# KiCad board brew-keeb.kicad_pcb
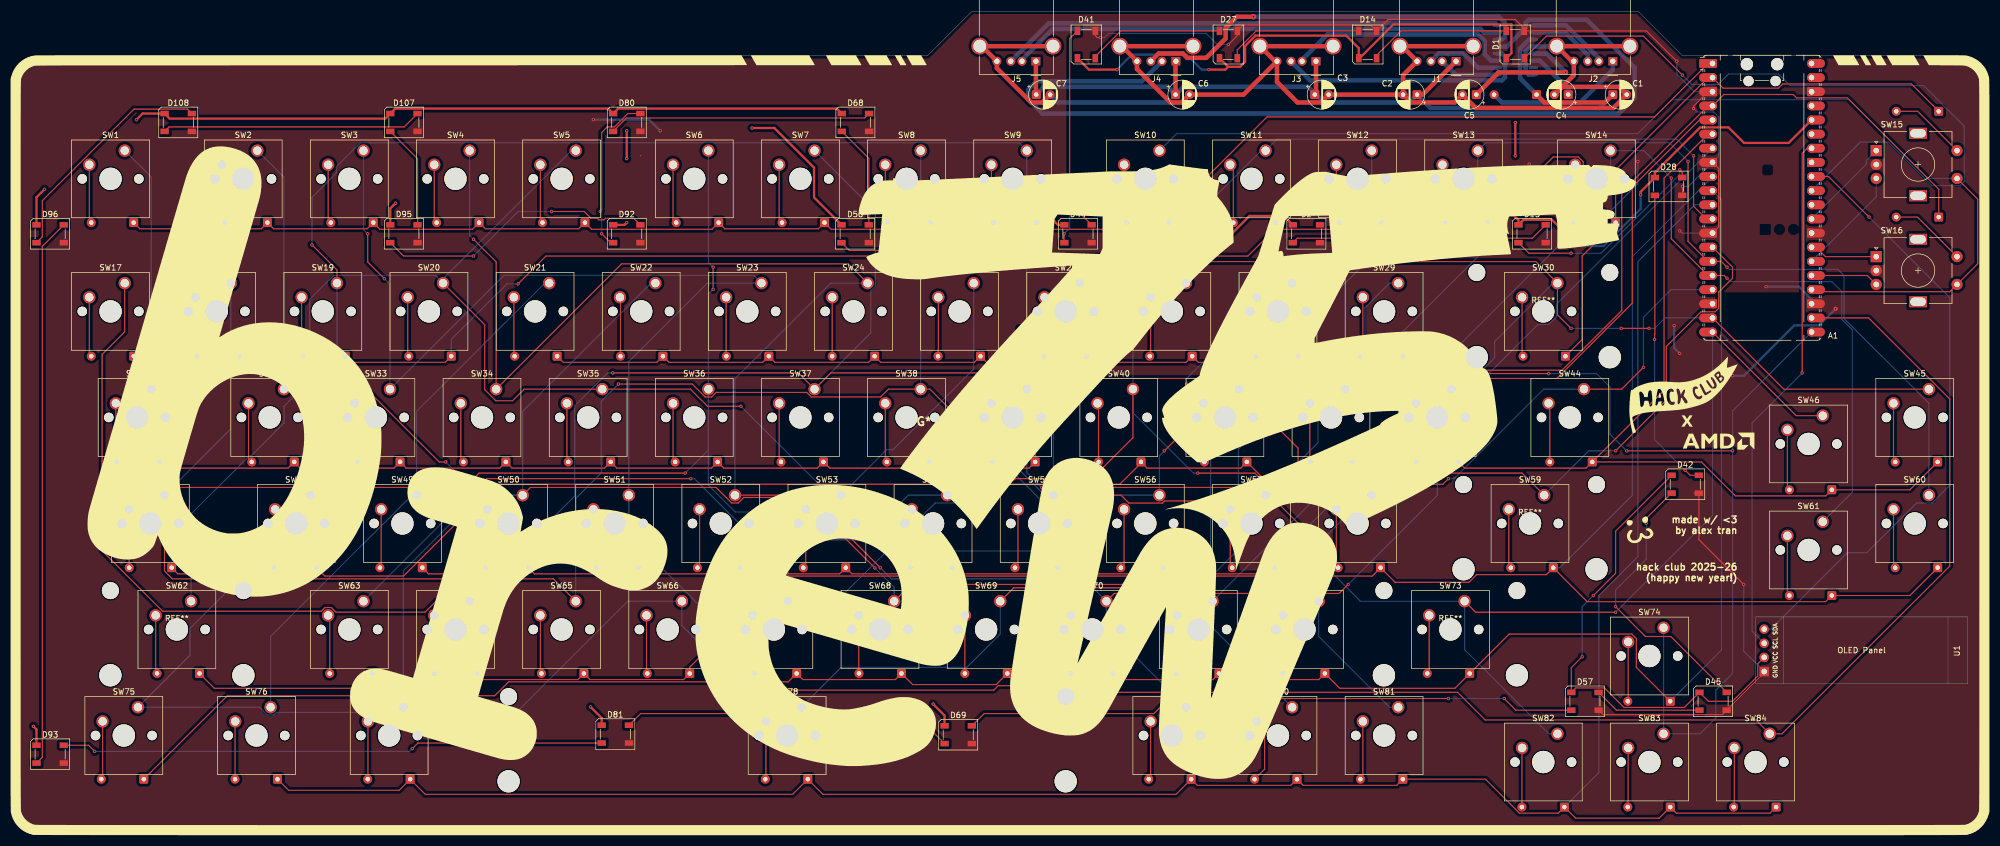
[diagram p0: board, top side]
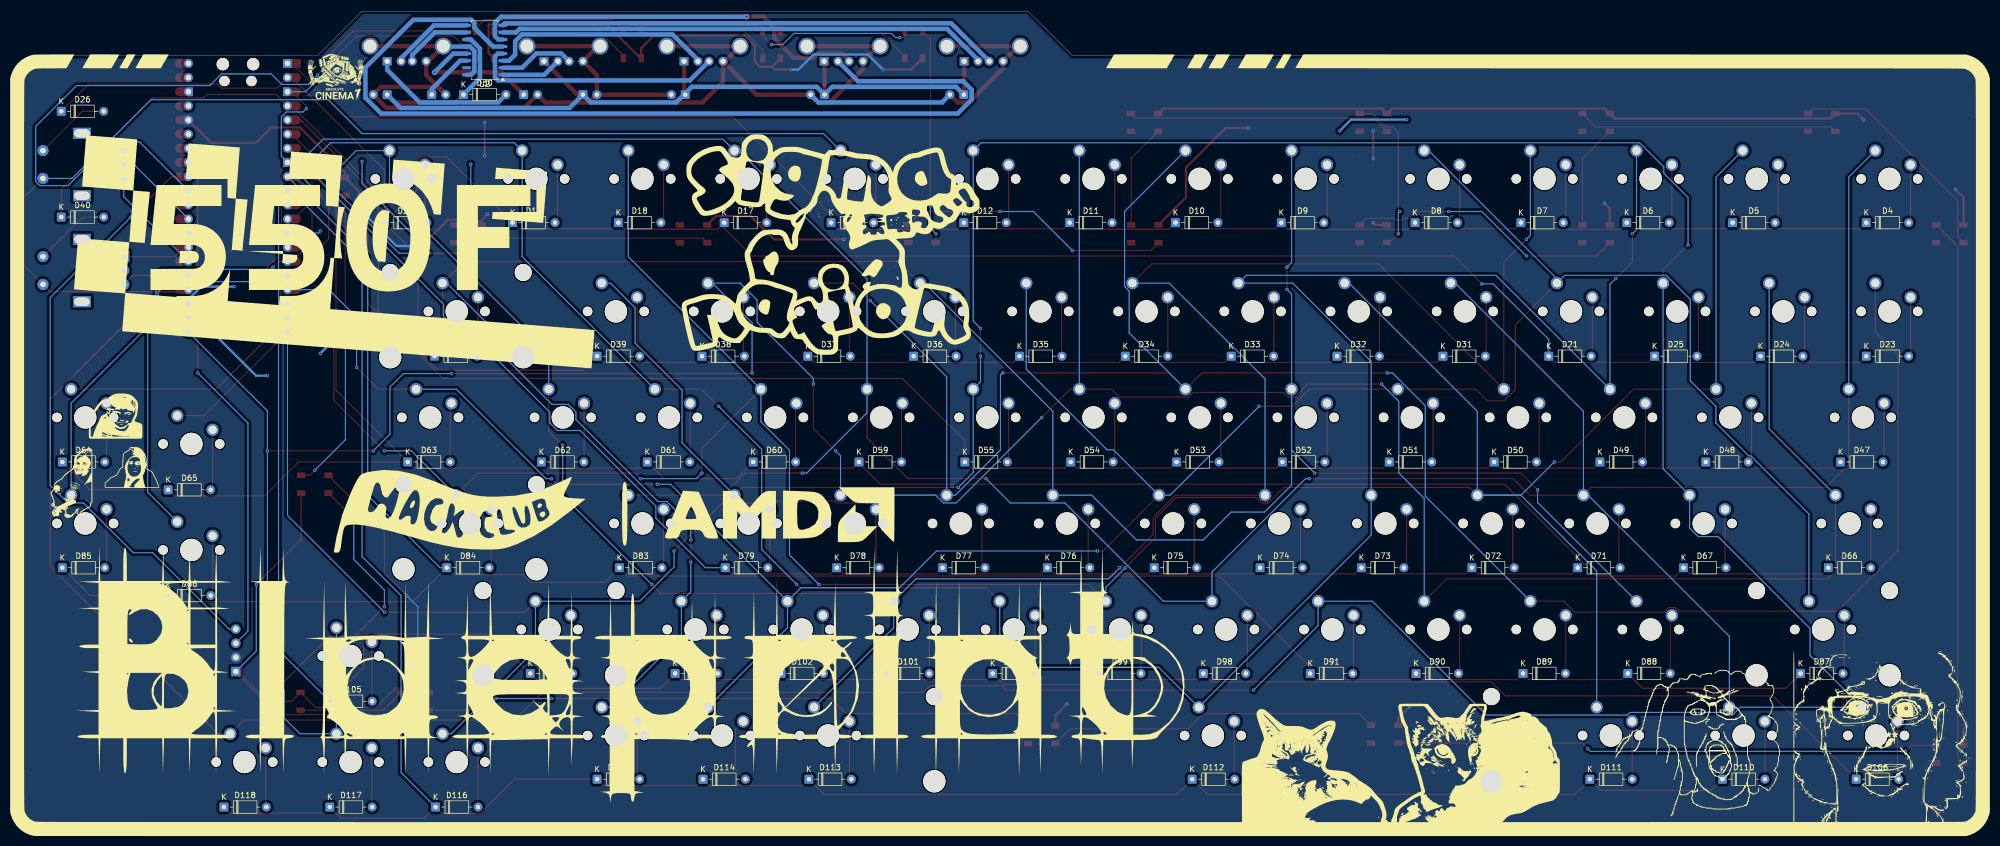
[diagram p1: board, bottom side, seen from below]

Outline 355 x 148 mm; copper layers: Top, Bottom. Coordinates in mm from the lower left corner of the outline.
Outline path: 0,135 arc(1.46,138.54) 5,140 164.5,140 172.5,148 292,148 300,140 350,140 arc(353.54,138.54) 355,135 355,5 arc(353.54,1.46) 350,0 5,0 arc(1.46,1.46) 0,5 0,135

## Placement (name value [footprint] x y rotation side)
A1  RaspberryPi_Pico  [RaspberryPi_Pico_Common_Unspecified]  314.29 114.47 0 top
C1  C  [CP_Radial_D5.0mm_P2.50mm]  287.5 133 0 top
C2  C  [CP_Radial_D5.0mm_P2.50mm]  252.36 133 180 top
C3  C  [CP_Radial_D5.0mm_P2.50mm]  234 133 0 top
C4  C  [CP_Radial_D5.0mm_P2.50mm]  279.5 133 180 top
C5  C  [CP_Radial_D5.0mm_P2.50mm]  263 133 180 top
C6  C  [CP_Radial_D5.0mm_P2.50mm]  209 133 0 top
C7  C  [CP_Radial_D5.0mm_P2.50mm]  184 133 0 top
D1  SK6812  [LED_SK6812_PLCC4_5.0x5.0mm_P3.2mm]  270 142 90 top
D2  SK6812  [LED_SK6812_PLCC4_5.0x5.0mm_P3.2mm]  232.5 108 0 top
D4  D  [D_DO-35_SOD27_P7.62mm_Horizontal]  22 110 180 bottom
D5  D  [D_DO-35_SOD27_P7.62mm_Horizontal]  46 110 180 bottom
D6  D  [D_DO-35_SOD27_P7.62mm_Horizontal]  65 110 180 bottom
D7  D  [D_DO-35_SOD27_P7.62mm_Horizontal]  84 110 180 bottom
D8  D  [D_DO-35_SOD27_P7.62mm_Horizontal]  103 110 180 bottom
D9  D  [D_DO-35_SOD27_P7.62mm_Horizontal]  127 110 180 bottom
D10  D  [D_DO-35_SOD27_P7.62mm_Horizontal]  146 110 180 bottom
D11  D  [D_DO-35_SOD27_P7.62mm_Horizontal]  165 110 180 bottom
D12  D  [D_DO-35_SOD27_P7.62mm_Horizontal]  184 110 180 bottom
D13  D  [D_DO-35_SOD27_P7.62mm_Horizontal]  207.81 110 180 bottom
D14  SK6812  [LED_SK6812_PLCC4_5.0x5.0mm_P3.2mm]  243.5 142 90 top
D15  SK6812  [LED_SK6812_PLCC4_5.0x5.0mm_P3.2mm]  273 108 0 top
D17  D  [D_DO-35_SOD27_P7.62mm_Horizontal]  227 110 180 bottom
D18  D  [D_DO-35_SOD27_P7.62mm_Horizontal]  246 110 180 bottom
D19  D  [D_DO-35_SOD27_P7.62mm_Horizontal]  265 110 180 bottom
D20  D  [D_DO-35_SOD27_P7.62mm_Horizontal]  288 110 180 bottom
D21  D  [D_DO-35_SOD27_P7.62mm_Horizontal]  79 86 180 bottom
D22  D  [D_DO-35_SOD27_P7.62mm_Horizontal]  279 86 180 bottom
D23  D  [D_DO-35_SOD27_P7.62mm_Horizontal]  22 86 180 bottom
D24  D  [D_DO-35_SOD27_P7.62mm_Horizontal]  41 86 180 bottom
D25  D  [D_DO-35_SOD27_P7.62mm_Horizontal]  60 86 180 bottom
D26  D  [D_DO-35_SOD27_P7.62mm_Horizontal]  346 130 180 bottom
D27  SK6812  [LED_SK6812_PLCC4_5.0x5.0mm_P3.2mm]  218.5 142 90 top
D28  SK6812  [LED_SK6812_PLCC4_5.0x5.0mm_P3.2mm]  297.5 116.5 0 top
D30  D  [D_DO-35_SOD27_P7.62mm_Horizontal]  273.81 133 180 bottom
D31  D  [D_DO-35_SOD27_P7.62mm_Horizontal]  98 86 180 bottom
D32  D  [D_DO-35_SOD27_P7.62mm_Horizontal]  117 86 180 bottom
D33  D  [D_DO-35_SOD27_P7.62mm_Horizontal]  136 86 180 bottom
D34  D  [D_DO-35_SOD27_P7.62mm_Horizontal]  155 86 180 bottom
D35  D  [D_DO-35_SOD27_P7.62mm_Horizontal]  174 86 180 bottom
D36  D  [D_DO-35_SOD27_P7.62mm_Horizontal]  193 86 180 bottom
D37  D  [D_DO-35_SOD27_P7.62mm_Horizontal]  212 86 180 bottom
D38  D  [D_DO-35_SOD27_P7.62mm_Horizontal]  231 86 180 bottom
D39  D  [D_DO-35_SOD27_P7.62mm_Horizontal]  249.81 86 180 bottom
D40  D  [D_DO-35_SOD27_P7.62mm_Horizontal]  346 111 180 bottom
D41  SK6812  [LED_SK6812_PLCC4_5.0x5.0mm_P3.2mm]  193 142 90 top
D42  SK6812  [LED_SK6812_PLCC4_5.0x5.0mm_P3.2mm]  300.5 63 0 top
D44  SK6812  [LED_SK6812_PLCC4_5.0x5.0mm_P3.2mm]  191.5 108 0 top
D45  SK6812  [LED_SK6812_PLCC4_5.0x5.0mm_P3.2mm]  305.5 24 0 top
D47  D  [D_DO-35_SOD27_P7.62mm_Horizontal]  26.62 67 180 bottom
D48  D  [D_DO-35_SOD27_P7.62mm_Horizontal]  50.81 67 180 bottom
D49  D  [D_DO-35_SOD27_P7.62mm_Horizontal]  69.81 67 180 bottom
D50  D  [D_DO-35_SOD27_P7.62mm_Horizontal]  88.81 67 180 bottom
D51  D  [D_DO-35_SOD27_P7.62mm_Horizontal]  107.62 67 180 bottom
D52  D  [D_DO-35_SOD27_P7.62mm_Horizontal]  126.81 67 180 bottom
D53  D  [D_DO-35_SOD27_P7.62mm_Horizontal]  145.81 67 180 bottom
D54  D  [D_DO-35_SOD27_P7.62mm_Horizontal]  164.81 67 180 bottom
D55  D  [D_DO-35_SOD27_P7.62mm_Horizontal]  183.81 67 180 bottom
D56  SK6812  [LED_SK6812_PLCC4_5.0x5.0mm_P3.2mm]  151.5 108 0 top
D57  SK6812  [LED_SK6812_PLCC4_5.0x5.0mm_P3.2mm]  282.5 24 0 top
D59  D  [D_DO-35_SOD27_P7.62mm_Horizontal]  202.81 67 180 bottom
D60  D  [D_DO-35_SOD27_P7.62mm_Horizontal]  221.81 67 180 bottom
D61  D  [D_DO-35_SOD27_P7.62mm_Horizontal]  240.81 67 180 bottom
D62  D  [D_DO-35_SOD27_P7.62mm_Horizontal]  259.81 67 180 bottom
D63  D  [D_DO-35_SOD27_P7.62mm_Horizontal]  283.81 67 180 bottom
D64  D  [D_DO-35_SOD27_P7.62mm_Horizontal]  345.81 67 180 bottom
D65  D  [D_DO-35_SOD27_P7.62mm_Horizontal]  326.81 62 180 bottom
D66  D  [D_DO-35_SOD27_P7.62mm_Horizontal]  28.81 48 180 bottom
D67  D  [D_DO-35_SOD27_P7.62mm_Horizontal]  54.81 48 180 bottom
D68  SK6812  [LED_SK6812_PLCC4_5.0x5.0mm_P3.2mm]  151.55 128 0 top
D69  SK6812  [LED_SK6812_PLCC4_5.0x5.0mm_P3.2mm]  170 18 0 top
D71  D  [D_DO-35_SOD27_P7.62mm_Horizontal]  73.81 48 180 bottom
D72  D  [D_DO-35_SOD27_P7.62mm_Horizontal]  92.81 48 180 bottom
D73  D  [D_DO-35_SOD27_P7.62mm_Horizontal]  112.62 48 180 bottom
D74  D  [D_DO-35_SOD27_P7.62mm_Horizontal]  130.81 48 180 bottom
D75  D  [D_DO-35_SOD27_P7.62mm_Horizontal]  149.81 48 180 bottom
D76  D  [D_DO-35_SOD27_P7.62mm_Horizontal]  169 48 180 bottom
D77  D  [D_DO-35_SOD27_P7.62mm_Horizontal]  187.81 48 180 bottom
D78  D  [D_DO-35_SOD27_P7.62mm_Horizontal]  206.81 48 180 bottom
D79  D  [D_DO-35_SOD27_P7.62mm_Horizontal]  226.81 48 180 bottom
D80  SK6812  [LED_SK6812_PLCC4_5.0x5.0mm_P3.2mm]  110.5 128 0 top
D81  SK6812  [LED_SK6812_PLCC4_5.0x5.0mm_P3.2mm]  108.45 18.1 0 top
D83  D  [D_DO-35_SOD27_P7.62mm_Horizontal]  245.81 48 180 bottom
D84  D  [D_DO-35_SOD27_P7.62mm_Horizontal]  276.81 48 180 bottom
D85  D  [D_DO-35_SOD27_P7.62mm_Horizontal]  345.81 48 180 bottom
D86  D  [D_DO-35_SOD27_P7.62mm_Horizontal]  326.81 43 180 bottom
D87  D  [D_DO-35_SOD27_P7.62mm_Horizontal]  33.81 29 180 bottom
D88  D  [D_DO-35_SOD27_P7.62mm_Horizontal]  64.81 29 180 bottom
D89  D  [D_DO-35_SOD27_P7.62mm_Horizontal]  83.62 29 180 bottom
D90  D  [D_DO-35_SOD27_P7.62mm_Horizontal]  102.81 29 180 bottom
D91  D  [D_DO-35_SOD27_P7.62mm_Horizontal]  121.81 29 180 bottom
D92  SK6812  [LED_SK6812_PLCC4_5.0x5.0mm_P3.2mm]  110.5 108 0 top
D93  SK6812  [LED_SK6812_PLCC4_5.0x5.0mm_P3.2mm]  7 14.5 0 top
D95  SK6812  [LED_SK6812_PLCC4_5.0x5.0mm_P3.2mm]  70.5 108 0 top
D96  SK6812  [LED_SK6812_PLCC4_5.0x5.0mm_P3.2mm]  7 108 0 top
D98  D  [D_DO-35_SOD27_P7.62mm_Horizontal]  141 29 180 bottom
D99  D  [D_DO-35_SOD27_P7.62mm_Horizontal]  159.81 29 180 bottom
D100  D  [D_DO-35_SOD27_P7.62mm_Horizontal]  178.81 29 180 bottom
D101  D  [D_DO-35_SOD27_P7.62mm_Horizontal]  197.81 29 180 bottom
D102  D  [D_DO-35_SOD27_P7.62mm_Horizontal]  216.81 29 180 bottom
D103  D  [D_DO-35_SOD27_P7.62mm_Horizontal]  235.81 29 180 bottom
D104  D  [D_DO-35_SOD27_P7.62mm_Horizontal]  261.81 29 180 bottom
D105  D  [D_DO-35_SOD27_P7.62mm_Horizontal]  297.81 24 180 bottom
D106  D  [D_DO-35_SOD27_P7.62mm_Horizontal]  23.81 10 180 bottom
D107  SK6812  [LED_SK6812_PLCC4_5.0x5.0mm_P3.2mm]  70.5 128 0 top
D108  SK6812  [LED_SK6812_PLCC4_5.0x5.0mm_P3.2mm]  30 128 0 top
D110  D  [D_DO-35_SOD27_P7.62mm_Horizontal]  47.81 10 180 bottom
D111  D  [D_DO-35_SOD27_P7.62mm_Horizontal]  71.62 10 180 bottom
D112  D  [D_DO-35_SOD27_P7.62mm_Horizontal]  143 10 180 bottom
D113  D  [D_DO-35_SOD27_P7.62mm_Horizontal]  211.81 10 180 bottom
D114  D  [D_DO-35_SOD27_P7.62mm_Horizontal]  230.81 10 180 bottom
D115  D  [D_DO-35_SOD27_P7.62mm_Horizontal]  249.81 10 180 bottom
D116  D  [D_DO-35_SOD27_P7.62mm_Horizontal]  278.81 5 180 bottom
D117  D  [D_DO-35_SOD27_P7.62mm_Horizontal]  297.81 5 180 bottom
D118  D  [D_DO-35_SOD27_P7.62mm_Horizontal]  316.81 5 180 bottom
G***  -  [LOGO]  306.5 70.75 0 top
G***#2  -  [LOGO]  336.5 14.75 0 top
G***#3  -  [LOGO]  300.12 79.5 20 top
G***#4  -  [LOGO]  165 74.25 0 top
G***#5  -  [LOGO]  177.5 70 0 top
G***#6  -  [LOGO]  292.25 54.75 280 top
G***#7  -  [LOGO]  296.75 136 180 bottom
G***#8  -  [LOGO]  52.01 17.04 180 bottom
G***#9  -  [LOGO]  333.25 66.25 180 bottom
G***#10  -  [LOGO]  336.25 76 180 bottom
G***#11  -  [LOGO]  243.75 34.5 180 bottom
G***#12  -  [LOGO]  208.25 106 180 bottom
G***#13  -  [LOGO]  297 104.75 180 bottom
G***#14  -  [LOGO]  344.5 63.25 180 bottom
G***#15  -  [LOGO]  120 11.85 180 bottom
G***#16  -  [LOGO]  177.5 70 180 bottom
G***#17  -  [LOGO]  92.25 12 180 bottom
G***#18  -  [LOGO]  18.75 17.5 180 bottom
J1  USB_A  [USB_A_Molex_67643_Horizontal]  259.36 139 180 top
J2  USB_A  [USB_A_Molex_67643_Horizontal]  287.5 139 180 top
J3  USB_A  [USB_A_Molex_67643_Horizontal]  234.22 139 180 top
J4  USB_A  [USB_A_Molex_67643_Horizontal]  209.08 139 180 top
J5  USB_A  [USB_A_Molex_67643_Horizontal]  183.94 139 180 top
REF**  -  [Stabilizer_Cherry_MX_2.00u]  29.75 36.9 0 top
REF**#2  -  [Stabilizer_Cherry_MX_2.00u]  275.02 94.05 0 top
REF**#3  -  [Stabilizer_Cherry_MX_6.25u]  139.29 17.85 0 top
REF**#4  -  [Stabilizer_Cherry_MX_2.00u]  272.64 55.95 0 top
REF**#5  -  [Stabilizer_Cherry_MX_2.00u]  258.35 36.9 0 top
SW1  Keyswitch  [SW_Cherry_MX_1.00u_PCB]  20.38 122.94 0 top
SW2  Keyswitch  [SW_Cherry_MX_1.00u_PCB]  44.2 122.94 0 top
SW3  Keyswitch  [SW_Cherry_MX_1.00u_PCB]  63.25 122.94 0 top
SW4  Keyswitch  [SW_Cherry_MX_1.00u_PCB]  82.3 122.94 0 top
SW5  Keyswitch  [SW_Cherry_MX_1.00u_PCB]  101.35 122.94 0 top
SW6  Keyswitch  [SW_Cherry_MX_1.00u_PCB]  125.16 122.94 0 top
SW7  Keyswitch  [SW_Cherry_MX_1.00u_PCB]  144.21 122.94 0 top
SW8  Keyswitch  [SW_Cherry_MX_1.00u_PCB]  163.26 122.94 0 top
SW9  Keyswitch  [SW_Cherry_MX_1.00u_PCB]  182.31 122.94 0 top
SW10  Keyswitch  [SW_Cherry_MX_1.00u_PCB]  206.12 122.94 0 top
SW11  Keyswitch  [SW_Cherry_MX_1.00u_PCB]  225.17 122.94 0 top
SW12  Keyswitch  [SW_Cherry_MX_1.00u_PCB]  244.22 122.94 0 top
SW13  Keyswitch  [SW_Cherry_MX_1.00u_PCB]  263.27 122.94 0 top
SW14  Keyswitch  [SW_Cherry_MX_1.00u_PCB]  287.08 122.94 0 top
SW15  RotaryEncoder_Switch  [RotaryEncoder_Alps_EC11E-Switch_Vertical_H20mm]  334.79 122.94 0 top
SW16  RotaryEncoder_Switch  [RotaryEncoder_Alps_EC11E-Switch_Vertical_H20mm]  334.79 103.89 0 top
SW17  Keyswitch  [SW_Cherry_MX_1.00u_PCB]  20.38 99.13 0 top
SW18  Keyswitch  [SW_Cherry_MX_1.00u_PCB]  39.44 99.13 0 top
SW19  Keyswitch  [SW_Cherry_MX_1.00u_PCB]  58.48 99.13 0 top
SW20  Keyswitch  [SW_Cherry_MX_1.00u_PCB]  77.53 99.13 0 top
SW21  Keyswitch  [SW_Cherry_MX_1.00u_PCB]  96.58 99.13 0 top
SW22  Keyswitch  [SW_Cherry_MX_1.00u_PCB]  115.63 99.13 0 top
SW23  Keyswitch  [SW_Cherry_MX_1.00u_PCB]  134.69 99.13 0 top
SW24  Keyswitch  [SW_Cherry_MX_1.00u_PCB]  153.74 99.13 0 top
SW25  Keyswitch  [SW_Cherry_MX_1.00u_PCB]  172.78 99.13 0 top
SW26  Keyswitch  [SW_Cherry_MX_1.00u_PCB]  191.84 99.13 0 top
SW27  Keyswitch  [SW_Cherry_MX_1.00u_PCB]  210.88 99.13 0 top
SW28  Keyswitch  [SW_Cherry_MX_1.00u_PCB]  229.94 99.13 0 top
SW29  Keyswitch  [SW_Cherry_MX_1.00u_PCB]  248.99 99.13 0 top
SW30  Keyswitch  [SW_Cherry_MX_1.00u_PCB]  277.56 99.13 0 top
SW31  Keyswitch  [SW_Cherry_MX_1.00u_PCB]  25.15 80.08 0 top
SW32  Keyswitch  [SW_Cherry_MX_1.00u_PCB]  48.96 80.08 0 top
SW33  Keyswitch  [SW_Cherry_MX_1.00u_PCB]  68.01 80.08 0 top
SW34  Keyswitch  [SW_Cherry_MX_1.00u_PCB]  87.06 80.08 0 top
SW35  Keyswitch  [SW_Cherry_MX_1.00u_PCB]  106.11 80.08 0 top
SW36  Keyswitch  [SW_Cherry_MX_1.00u_PCB]  125.16 80.08 0 top
SW37  Keyswitch  [SW_Cherry_MX_1.00u_PCB]  144.21 80.08 0 top
SW38  Keyswitch  [SW_Cherry_MX_1.00u_PCB]  163.26 80.08 0 top
SW39  Keyswitch  [SW_Cherry_MX_1.00u_PCB]  182.31 80.08 0 top
SW40  Keyswitch  [SW_Cherry_MX_1.00u_PCB]  201.36 80.08 0 top
SW41  Keyswitch  [SW_Cherry_MX_1.00u_PCB]  220.41 80.08 0 top
SW42  Keyswitch  [SW_Cherry_MX_1.00u_PCB]  239.46 80.08 0 top
SW43  Keyswitch  [SW_Cherry_MX_1.00u_PCB]  258.51 80.08 0 top
SW44  Keyswitch  [SW_Cherry_MX_1.00u_PCB]  282.32 80.08 0 top
SW45  Keyswitch  [SW_Cherry_MX_1.00u_PCB]  344.24 80.08 0 top
SW46  Keyswitch  [SW_Cherry_MX_1.00u_PCB]  325.19 75.32 0 top
SW47  Keyswitch  [SW_Cherry_MX_1.00u_PCB]  27.53 61.03 0 top
SW48  Keyswitch  [SW_Cherry_MX_1.00u_PCB]  53.72 61.03 0 top
SW49  Keyswitch  [SW_Cherry_MX_1.00u_PCB]  72.77 61.03 0 top
SW50  Keyswitch  [SW_Cherry_MX_1.00u_PCB]  91.82 61.03 0 top
SW51  Keyswitch  [SW_Cherry_MX_1.00u_PCB]  110.87 61.03 0 top
SW52  Keyswitch  [SW_Cherry_MX_1.00u_PCB]  129.92 61.03 0 top
SW53  Keyswitch  [SW_Cherry_MX_1.00u_PCB]  148.97 61.03 0 top
SW54  Keyswitch  [SW_Cherry_MX_1.00u_PCB]  168.02 61.03 0 top
SW55  Keyswitch  [SW_Cherry_MX_1.00u_PCB]  187.07 61.03 0 top
SW56  Keyswitch  [SW_Cherry_MX_1.00u_PCB]  206.12 61.03 0 top
SW57  Keyswitch  [SW_Cherry_MX_1.00u_PCB]  225.17 61.03 0 top
SW58  Keyswitch  [SW_Cherry_MX_1.00u_PCB]  244.22 61.03 0 top
SW59  Keyswitch  [SW_Cherry_MX_1.00u_PCB]  275.18 61.03 0 top
SW60  Keyswitch  [SW_Cherry_MX_1.00u_PCB]  344.24 61.03 0 top
SW61  Keyswitch  [SW_Cherry_MX_1.00u_PCB]  325.19 56.27 0 top
SW62  Keyswitch  [SW_Cherry_MX_1.00u_PCB]  32.29 41.98 0 top
SW63  Keyswitch  [SW_Cherry_MX_1.00u_PCB]  63.25 41.98 0 top
SW64  Keyswitch  [SW_Cherry_MX_1.00u_PCB]  82.3 41.98 0 top
SW65  Keyswitch  [SW_Cherry_MX_1.00u_PCB]  101.35 41.98 0 top
SW66  Keyswitch  [SW_Cherry_MX_1.00u_PCB]  120.4 41.98 0 top
SW67  Keyswitch  [SW_Cherry_MX_1.00u_PCB]  139.45 41.98 0 top
SW68  Keyswitch  [SW_Cherry_MX_1.00u_PCB]  158.5 41.98 0 top
SW69  Keyswitch  [SW_Cherry_MX_1.00u_PCB]  177.55 41.98 0 top
SW70  Keyswitch  [SW_Cherry_MX_1.00u_PCB]  196.6 41.98 0 top
SW71  Keyswitch  [SW_Cherry_MX_1.00u_PCB]  215.65 41.98 0 top
SW72  Keyswitch  [SW_Cherry_MX_1.00u_PCB]  234.7 41.98 0 top
SW73  Keyswitch  [SW_Cherry_MX_1.00u_PCB]  260.89 41.98 0 top
SW74  Keyswitch  [SW_Cherry_MX_1.00u_PCB]  296.61 37.22 0 top
SW75  Keyswitch  [SW_Cherry_MX_1.00u_PCB]  22.77 22.93 0 top
SW76  Keyswitch  [SW_Cherry_MX_1.00u_PCB]  46.58 22.93 0 top
SW77  Keyswitch  [SW_Cherry_MX_1.00u_PCB]  70.39 22.93 0 top
SW78  Keyswitch  [SW_Cherry_MX_1.00u_PCB]  141.83 22.93 0 top
SW79  Keyswitch  [SW_Cherry_MX_1.00u_PCB]  210.88 22.93 0 top
SW80  Keyswitch  [SW_Cherry_MX_1.00u_PCB]  229.94 22.93 0 top
SW81  Keyswitch  [SW_Cherry_MX_1.00u_PCB]  248.99 22.93 0 top
SW82  Keyswitch  [SW_Cherry_MX_1.00u_PCB]  277.56 18.17 0 top
SW83  Keyswitch  [SW_Cherry_MX_1.00u_PCB]  296.61 18.17 0 top
SW84  Keyswitch  [SW_Cherry_MX_1.00u_PCB]  315.66 18.17 0 top
U1  ~  [SSD1306-0.91-OLED-4pin-128x32]  351.17 27.16 180 top
U2  SL2.1A  [SOIC-16_4.55x10.3mm_P1.27mm]  270 141 0 bottom

## Library data of the parts
A1 = -: Datasheet: https://datasheets.raspberrypi.com/pico/pico-datasheet.pdf; Description: Versatile and inexpensive microcontroller module powered by RP2040 dual-core Arm Cortex-M0+ processor up to 133 MHz, 264kB SRAM, 2MB QSPI flash; also supports Raspberry Pi Pico 2; ki_fp_filters: RaspberryPi?Pico?Common* RaspberryPi?Pico?SMD*
C1-C7 = -: Description: Unpolarized capacitor; ki_fp_filters: C_*
D1 D2 D14 D15 D27 D28 D41 D42 D44 D45 D56 D57 D68 D69 D80 D81 D92 D93 D95 D96 D107 D108 = -: Datasheet: https://cdn-shop.adafruit.com/product-files/1138/SK6812+LED+datasheet+.pdf; Description: RGB LED with integrated controller; ki_fp_filters: LED*SK6812*PLCC*5.0x5.0mm*P3.2mm*
D4-D13 D17-D26 D30-D40 D47-D55 D59-D67 D71-D79 D83-D91 D98-D106 D110-D118 = -: Description: Diode; Sim.Pins: 1=K 2=A; ki_fp_filters: TO-???* *_Diode_* *SingleDiode* D_*
J1-J5 = -: Description: USB Type A connector; ki_fp_filters: USB*
SW1-SW14 SW17-SW84 = -: Description: Push button switch, normally open, two pins, 45° tilted
SW15 SW16 = -: Description: Rotary encoder, dual channel, incremental quadrate outputs, with switch; ki_fp_filters: RotaryEncoder*Switch*

## Footprints (pads in the part's own frame, mm; a bottom-side part is the same pattern mirrored in y, then rotated)
CP_Radial_D5.0mm_P2.50mm
  rrect 1.6x1.6 hole 0.8: 1(0,0)
  round 1.6 hole 0.8: 2(2.5,0)
D_DO-35_SOD27_P7.62mm_Horizontal
  rrect 1.6x1.6 hole 0.8: 1(0,0)
  round 1.6 hole 0.8: 2(7.62,0)
LED_SK6812_PLCC4_5.0x5.0mm_P3.2mm
  rect 1.5x1 smd: 1(-2.45,1.6) 2(-2.45,-1.6) 3(2.45,-1.6) 4(2.45,1.6)
RaspberryPi_Pico_Common_Unspecified
  round 2.2 hole 2.2 unplated: (-2.725,24) (2.725,24)
  round 1.85 hole 1.85 unplated: (-2.425,20.97) (2.425,20.97)
  custom 3.2x1.6 smd: 1(-9.69,24.13) 3(-9.69,19.05) 8(-9.69,6.35) 13(-9.69,-6.35) 18(-9.69,-19.05) 23(9.69,-19.05) 28(9.69,-6.35) 33(9.69,6.35) 38(9.69,19.05)
  rrect 1.6x1.6 hole 1: 1(-8.89,24.13)
  rrect 3.2x1.6 smd: 2(-9.69,21.59) 4(-9.69,16.51) 5(-9.69,13.97) 6(-9.69,11.43) 7(-9.69,8.89) 9(-9.69,3.81) 10(-9.69,1.27) 11(-9.69,-1.27) 12(-9.69,-3.81) 14(-9.69,-8.89) 15(-9.69,-11.43) 16(-9.69,-13.97) 17(-9.69,-16.51) 19(-9.69,-21.59) 20(-9.69,-24.13) 21(9.69,-24.13) 22(9.69,-21.59) 24(9.69,-16.51) 25(9.69,-13.97) 26(9.69,-11.43) 27(9.69,-8.89) 29(9.69,-3.81) 30(9.69,-1.27) 31(9.69,1.27) 32(9.69,3.81) 34(9.69,8.89) 35(9.69,11.43) 36(9.69,13.97) 37(9.69,16.51) 39(9.69,21.59) 40(9.69,24.13)
  round 1.6 hole 1: 2(-8.89,21.59) 4(-8.89,16.51) 5(-8.89,13.97) 6(-8.89,11.43) 7(-8.89,8.89) 9(-8.89,3.81) 10(-8.89,1.27) 11(-8.89,-1.27) 12(-8.89,-3.81) 14(-8.89,-8.89) 15(-8.89,-11.43) 16(-8.89,-13.97) 17(-8.89,-16.51) 19(-8.89,-21.59) 20(-8.89,-24.13) 21(8.89,-24.13) 22(8.89,-21.59) 24(8.89,-16.51) 25(8.89,-13.97) 26(8.89,-11.43) 27(8.89,-8.89) 29(8.89,-3.81) 30(8.89,-1.27) 31(8.89,1.27) 32(8.89,3.81) 34(8.89,8.89) 35(8.89,11.43) 36(8.89,13.97) 37(8.89,16.51) 39(8.89,21.59) 40(8.89,24.13)
  custom 1.6x1.6 hole 1: 3(-8.89,19.05) 8(-8.89,6.35) 13(-8.89,-6.35) 18(-8.89,-19.05) 23(8.89,-19.05) 28(8.89,-6.35) 33(8.89,6.35) 38(8.89,19.05)
RotaryEncoder_Alps_EC11E-Switch_Vertical_H20mm
  rect 2x2 hole 1: A(0,0)
  round 2 hole 1: B(0,-5) C(0,-2.5) S1(14.5,-5) S2(14.5,0)
  rect 3.2x2 hole 2.8x1.5: MP(7.5,3.1) MP(7.5,-8.1)
SOIC-16_4.55x10.3mm_P1.27mm
  rrect 1.6x0.55 smd: 1(-3.25,4.445) 2(-3.25,3.175) 3(-3.25,1.905) 4(-3.25,0.635) 5(-3.25,-0.635) 6(-3.25,-1.905) 7(-3.25,-3.175) 8(-3.25,-4.445) 9(3.25,-4.445) 10(3.25,-3.175) 11(3.25,-1.905) 12(3.25,-0.635) 13(3.25,0.635) 14(3.25,1.905) 15(3.25,3.175) 16(3.25,4.445)
SSD1306-0.91-OLED-4pin-128x32
  rect 1.7x1.7 hole 1: 1(36.5,-2.19)
  oval 1.7x1.7 hole 1: 2(36.5,-4.73) 3(36.5,-7.27) 4(36.5,-9.81)
Stabilizer_Cherry_MX_2.00u
  round 3.048 hole 3.048 unplated: (-11.938,6.985) (11.938,6.985)
  round 3.988 hole 3.988 unplated: (-11.938,-8.225) (11.938,-8.225)
Stabilizer_Cherry_MX_6.25u
  round 3.048 hole 3.048 unplated: (-50,6.985) (50,6.985)
  round 3.988 hole 3.988 unplated: (-50,-8.225) (50,-8.225)
SW_Cherry_MX_1.00u_PCB
  round 1.7 hole 1.7 unplated: (-7.62,-5.08) (2.54,-5.08)
  round 4 hole 4 unplated: (-2.54,-5.08)
  round 2.2 hole 1.5: 1(0,0) 2(-6.35,-2.54)
USB_A_Molex_67643_Horizontal
  rect 1.6x1.5 hole 0.95: 1(0,0)
  round 1.6 hole 0.95: 2(2.5,0) 3(4.5,0) 4(7,0)
  round 3 hole 2.3: 5(-3.07,-2.71) 5(10.07,-2.71)

## Nets
+3.3V: A1.36 D1.1 D2.1 D14.1 D15.1 D27.1 D28.1 D41.1 D42.1 D44.1 D45.1 D56.1 D57.1 D68.1 D69.1 D80.1 D81.1 D92.1 D93.1 D95.1 D96.1 D107.1 D108.1 U1.2
+5V: C1.1 C2.1 C3.1 C6.1 C7.1 D30.1 J1.1 J3.1 J4.1 J5.1 U2.11
GND: A1.3 A1.8 A1.13 A1.18 A1.23 A1.28 A1.38 D1.3 D2.3 D14.3 D15.3 D27.3 D28.3 D41.3 D42.3 D44.3 D45.3 D56.3 D57.3 D68.3 D69.3 D80.3 D81.3 D92.3 D93.3 D95.3 D96.3 D107.3 D108.3 SW15.C SW16.C U1.1
GND1: C1.2 C2.2 C3.2 C4.2 C5.2 C6.2 C7.2 J1.4 J1.5 J2.4 J2.5 J3.4 J3.5 J4.4 J4.5 J5.4 J5.5 U2.12 U2.16
COL 1: A1.12 SW1.1 SW11.1 SW21.1 SW31.1 SW40.1 SW49.1 SW58.1 SW67.1 SW76.1
COL 2: A1.14 SW2.1 SW12.1 SW22.1 SW32.1 SW41.1 SW50.1 SW59.1 SW68.1 SW77.1
COL 3: A1.15 SW3.1 SW13.1 SW23.1 SW33.1 SW42.1 SW51.1 SW60.1 SW69.1 SW78.1
COL 4: A1.16 SW4.1 SW14.1 SW24.1 SW34.1 SW43.1 SW52.1 SW61.1 SW70.1 SW79.1
COL 5: A1.17 SW5.1 SW20.1 SW25.1 SW35.1 SW44.1 SW53.1 SW62.1 SW71.1 SW80.1
COL 6: A1.19 SW6.1 SW26.1 SW30.1 SW36.1 SW45.1 SW54.1 SW63.1 SW72.1 SW81.1
COL 7: A1.20 SW7.1 SW17.1 SW27.1 SW37.1 SW46.1 SW55.1 SW64.1 SW73.1 SW82.1
COL 8: A1.21 SW8.1 SW18.1 SW28.1 SW38.1 SW47.1 SW56.1 SW65.1 SW74.1 SW83.1
COL 9: A1.22 SW9.1 SW19.1 SW29.1 SW39.1 SW48.1 SW57.1 SW66.1 SW75.1 SW84.1
COL 10: A1.24 SW10.1 SW15.S1 SW16.S1
IN+: J2.3 U2.10
IN-: J2.2 U2.9
KNB-1-A: A1.29 SW15.A
KNB-1-B: A1.26 SW15.B
KNB-1-OUT: D40.2 SW16.S2
KNB-2-A: A1.27 SW16.A
KNB-2-B: A1.25 SW16.B
KNB-2-OUT: D26.2 SW15.S2
LED: A1.31 D1.2
ROW 1: A1.1 D4.1 D5.1 D6.1 D7.1 D8.1 D9.1 D10.1 D11.1 D12.1 D13.1
ROW 2: A1.2 D17.1 D18.1 D19.1 D20.1 D21.1 D22.1 D23.1 D24.1 D25.1 D26.1
ROW 3: A1.4 D31.1 D32.1 D33.1 D34.1 D35.1 D36.1 D37.1 D38.1 D39.1 D40.1
ROW 4: A1.5 D47.1 D48.1 D49.1 D50.1 D51.1 D52.1 D53.1 D54.1 D55.1
ROW 5: A1.6 D59.1 D60.1 D61.1 D62.1 D63.1 D64.1 D65.1 D66.1 D67.1
ROW 6: A1.7 D71.1 D72.1 D73.1 D74.1 D75.1 D76.1 D77.1 D78.1 D79.1
ROW 7: A1.9 D83.1 D84.1 D85.1 D86.1 D87.1 D88.1 D89.1 D90.1 D91.1
ROW 8: A1.10 D98.1 D99.1 D100.1 D101.1 D102.1 D103.1 D104.1 D105.1 D106.1